# Altium PCB MANOPOLATORE_2040_ZERO.PcbDoc (part 1 of 2) (continued)
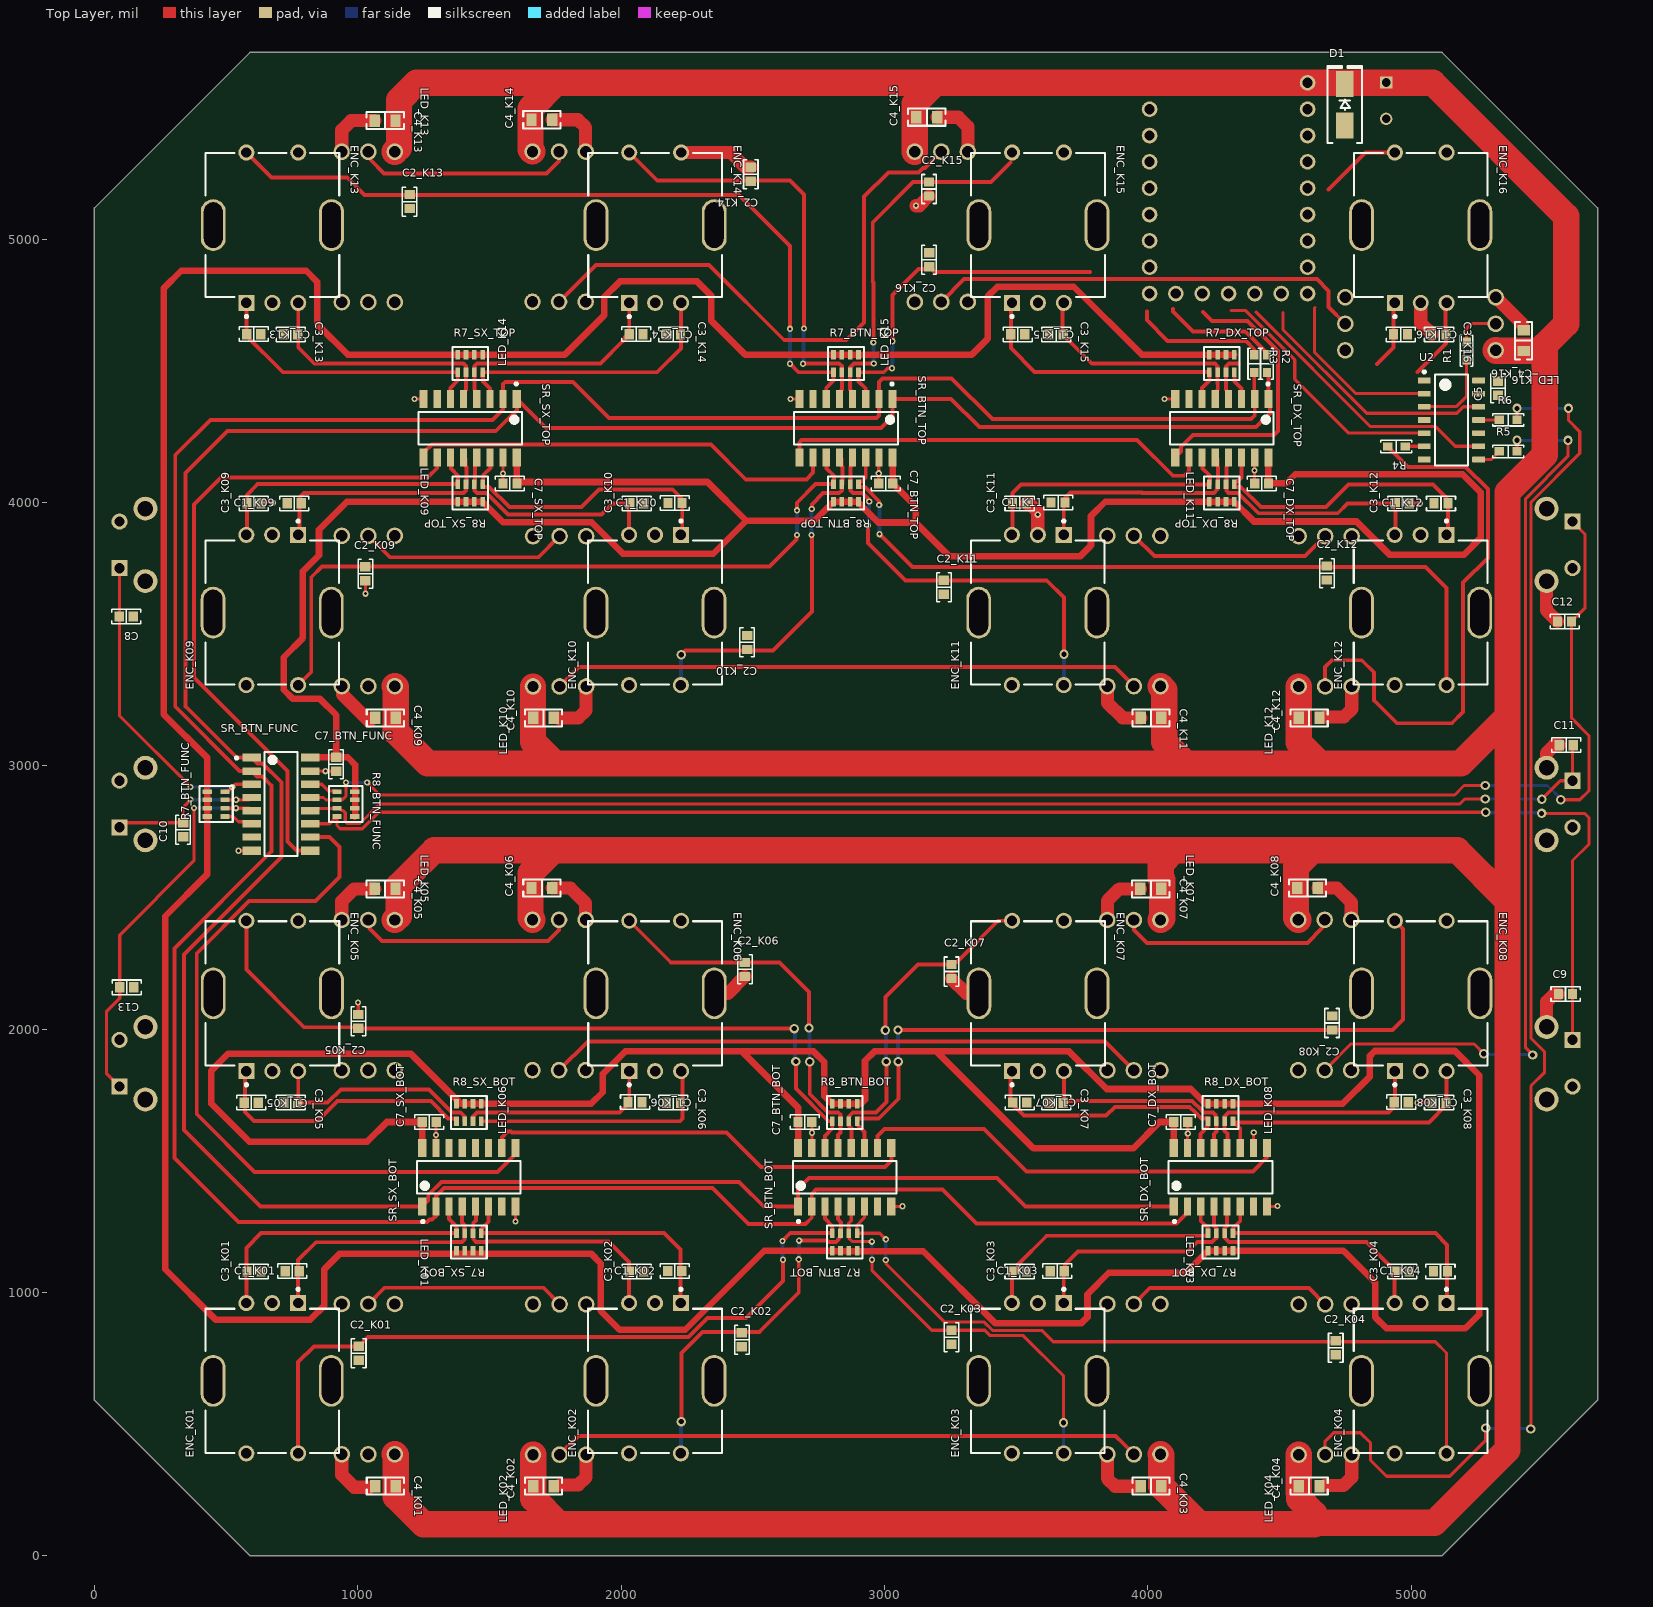
[diagram p0: Top Layer view]
## Classes and differential pairs
component class SX_BOT: C7_SX_BOT R7_SX_BOT R8_SX_BOT SR_SX_BOT
component class K08: C1_K08 C2_K08 C3_K08 C4_K08 ENC_K08 LED_K08
component class K07: C1_K07 C2_K07 C3_K07 C4_K07 ENC_K07 LED_K07
component class K06: C1_K06 C2_K06 C3_K06 C4_K06 ENC_K06 LED_K06
component class K05: C1_K05 C2_K05 C3_K05 C4_K05 ENC_K05 LED_K05
component class K04: C1_K04 C2_K04 C3_K04 C4_K04 ENC_K04 LED_K04
component class K03: C1_K03 C2_K03 C3_K03 C4_K03 ENC_K03 LED_K03
component class K02: C1_K02 C2_K02 C3_K02 C4_K02 ENC_K02 LED_K02
component class K01: C1_K01 C2_K01 C3_K01 C4_K01 ENC_K01 LED_K01
component class DX_BOT: C7_DX_BOT R7_DX_BOT R8_DX_BOT SR_DX_BOT
component class BTN_BOT: C7_BTN_BOT R7_BTN_BOT R8_BTN_BOT SR_BTN_BOT
component class SX_TOP: C7_SX_TOP R7_SX_TOP R8_SX_TOP SR_SX_TOP
component class DX_TOP: C7_DX_TOP R7_DX_TOP R8_DX_TOP SR_DX_TOP
component class BTN_TOP: C7_BTN_TOP R7_BTN_TOP R8_BTN_TOP SR_BTN_TOP
component class K12: C1_K12 C2_K12 C3_K12 C4_K12 ENC_K12 LED_K12
component class K16: C1_K16 C2_K16 C3_K16 C4_K16 ENC_K16 LED_K16
component class K11: C1_K11 C2_K11 C3_K11 C4_K11 ENC_K11 LED_K11
component class K15: C1_K15 C2_K15 C3_K15 C4_K15 ENC_K15 LED_K15
component class BTN_FUNC: C7_BTN_FUNC R7_BTN_FUNC R8_BTN_FUNC SR_BTN_FUNC
channel class SR: BTN_BOT BTN_FUNC BTN_TOP DX_BOT DX_TOP SX_BOT SX_TOP
channel class KNOB: K01 K02 K03 K04 K05 K06 K07 K08 K09 K10 K11 K12 K13 K14 K15 K16
component class K10: C1_K10 C2_K10 C3_K10 C4_K10 ENC_K10 LED_K10
component class K09: C1_K09 C2_K09 C3_K09 C4_K09 ENC_K09 LED_K09
component class K14: C1_K14 C2_K14 C3_K14 C4_K14 ENC_K14 LED_K14
component class K13: C1_K13 C2_K13 C3_K13 C4_K13 ENC_K13 LED_K13

## Components (designator, comment, footprint, x,y, rotation, side; value= is the part's Value field where it differs from the comment)
C1_K01 "0.1 µF" "CAP 0603_1608" 751.14,1080.59 r0 top (schematic designator C1)
C1_K02 "0.1 µF" "CAP 0603_1608" 2203.62,1080.94 r0 top (schematic designator C1)
C1_K03 "0.1 µF" "CAP 0603_1608" 3655.98,1080.28 r0 top (schematic designator C1)
C1_K04 "0.1 µF" "CAP 0603_1608" 5111.89,1079.57 r0 top (schematic designator C1)
C1_K05 "0.1 µF" "CAP 0603_1608" 596.14,1720.63 r180 top (schematic designator C1)
C1_K06 "0.1 µF" "CAP 0603_1608" 2053.11,1722.2 r180 top (schematic designator C1)
C1_K07 "0.1 µF" "CAP 0603_1608" 3513.74,1720.71 r180 top (schematic designator C1)
C1_K08 "0.1 µF" "CAP 0603_1608" 4962.32,1722.2 r180 top (schematic designator C1)
C1_K09 "0.1 µF" "CAP 0603_1608" 759.45,3995.98 r0 top (schematic designator C1)
C1_K10 "0.1 µF" "CAP 0603_1608" 2204.72,3997.36 r0 top (schematic designator C1)
C1_K11 "0.1 µF" "CAP 0603_1608" 3659.65,3999.45 r0 top (schematic designator C1)
C1_K12 "0.1 µF" "CAP 0603_1608" 5113.9,3995.98 r0 top (schematic designator C1)
C1_K13 "0.1 µF" "CAP 0603_1608" 605.79,4639.02 r180 top (schematic designator C1)
C1_K14 "0.1 µF" "CAP 0603_1608" 2057.17,4639.02 r180 top (schematic designator C1)
C1_K15 "0.1 µF" "CAP 0603_1608" 3506.42,4637.95 r180 top (schematic designator C1)
C1_K16 "0.1 µF" "CAP 0603_1608" 4960.31,4638.15 r180 top (schematic designator C1)
C2_K01 "0.1 µF" "CAP 0603_1608" 1003.9,768.15 r90 top (schematic designator C2)
C2_K02 "0.1 µF" "CAP 0603_1608" 2458.82,819.76 r90 top (schematic designator C2)
C2_K03 "0.1 µF" "CAP 0603_1608" 3254.72,829.72 r90 top (schematic designator C2)
C2_K04 "0.1 µF" "CAP 0603_1608" 4714.09,789.25 r90 top (schematic designator C2)
C2_K05 "0.1 µF" "CAP 0603_1608" 1002.24,2028.86 r270 top (schematic designator C2)
C2_K06 "0.1 µF" "CAP 0603_1608" 2470.47,2226.18 r90 top (schematic designator C2)
C2_K07 "0.1 µF" "CAP 0603_1608" 3254.84,2218.31 r90 top (schematic designator C2)
C2_K08 "0.1 µF" "CAP 0603_1608" 4700.43,2022.87 r270 top (schematic designator C2)
C2_K09 "0.1 µF" "CAP 0603_1608" 1029.06,3729.13 r90 top (schematic designator C2)
C2_K10 "0.1 µF" "CAP 0603_1608" 2478.86,3468.07 r270 top (schematic designator C2)
C2_K11 "0.1 µF" "CAP 0603_1608" 3226.1,3677.13 r90 top (schematic designator C2)
C2_K12 "0.1 µF" "CAP 0603_1608" 4680.51,3731.54 r90 top (schematic designator C2)
C2_K13 "0.1 µF" "CAP 0603_1608" 1197.28,5142.32 r90 top (schematic designator C2)
C2_K14 "0.1 µF" "CAP 0603_1608" 2492.64,5246.46 r270 top (schematic designator C2)
C2_K15 "0.1 µF" "CAP 0603_1608" 3169.57,5190 r90 top (schematic designator C2)
C2_K16 "0.1 µF" "CAP 0603_1608" 3169.88,4921.46 r270 top (schematic designator C2)
C3_K01 "0.1 µF" "CAP 0603_1608" 605.94,1079.02 r180 top (schematic designator C3)
C3_K02 "0.1 µF" "CAP 0603_1608" 2059.64,1079.02 r180 top (schematic designator C3)
C3_K03 "0.1 µF" "CAP 0603_1608" 3513.34,1079.02 r180 top (schematic designator C3)
C3_K04 "0.1 µF" "CAP 0603_1608" 4967.05,1079.02 r180 top (schematic designator C3)
C3_K05 "0.1 µF" "CAP 0603_1608" 745.28,1720.55 r0 top (schematic designator C3)
C3_K06 "0.1 µF" "CAP 0603_1608" 2198.98,1720.55 r0 top (schematic designator C3)
C3_K07 "0.1 µF" "CAP 0603_1608" 3652.68,1720.55 r0 top (schematic designator C3)
C3_K08 "0.1 µF" "CAP 0603_1608" 5106.38,1720.55 r0 top (schematic designator C3)
C3_K09 "0.1 µF" "CAP 0603_1608" 605.94,3996.42 r180 top (schematic designator C3)
C3_K10 "0.1 µF" "CAP 0603_1608" 2059.64,3996.42 r180 top (schematic designator C3)
C3_K11 "0.1 µF" "CAP 0603_1608" 3513.34,3996.42 r180 top (schematic designator C3)
C3_K12 "0.1 µF" "CAP 0603_1608" 4967.05,3996.42 r180 top (schematic designator C3)
C3_K13 "0.1 µF" "CAP 0603_1608" 745.28,4637.95 r0 top (schematic designator C3)
C3_K14 "0.1 µF" "CAP 0603_1608" 2198.98,4637.95 r0 top (schematic designator C3)
C3_K15 "0.1 µF" "CAP 0603_1608" 3652.68,4637.95 r0 top (schematic designator C3)
C3_K16 "0.1 µF" "CAP 0603_1608" 5106.38,4637.95 r0 top (schematic designator C3)
C4_K01 "10 µF" "MURATA GRM188 0603_1608" 1105.35,264.02 r0 top (schematic designator C4)
C4_K02 "10 µF" "MURATA GRM188 0603_1608" 1705.47,264.25 r180 top (schematic designator C4)
C4_K03 "10 µF" "MURATA GRM188 0603_1608" 4012.75,264.02 r0 top (schematic designator C4)
C4_K04 "10 µF" "MURATA GRM188 0603_1608" 4612.87,264.25 r180 top (schematic designator C4)
C4_K05 "10 µF" "MURATA GRM188 0603_1608" 1104.37,2532.17 r0 top (schematic designator C4)
C4_K06 "10 µF" "MURATA GRM188 0603_1608" 1699.57,2535.55 r180 top (schematic designator C4)
C4_K07 "10 µF" "MURATA GRM188 0603_1608" 4011.77,2532.17 r0 top (schematic designator C4)
C4_K08 "10 µF" "MURATA GRM188 0603_1608" 4606.97,2535.55 r180 top (schematic designator C4)
C4_K09 "10 µF" "MURATA GRM188 0603_1608" 1105.35,3181.42 r0 top (schematic designator C4)
C4_K10 "10 µF" "MURATA GRM188 0603_1608" 1705.47,3181.65 r180 top (schematic designator C4)
C4_K11 "10 µF" "MURATA GRM188 0603_1608" 4012.75,3181.42 r0 top (schematic designator C4)
C4_K12 "10 µF" "MURATA GRM188 0603_1608" 4612.87,3181.65 r180 top (schematic designator C4)
C4_K13 "10 µF" "MURATA GRM188 0603_1608" 1104.37,5449.57 r0 top (schematic designator C4)
C4_K14 "10 µF" "MURATA GRM188 0603_1608" 1699.57,5452.95 r180 top (schematic designator C4)
C4_K15 "10 µF" "MURATA GRM188 0603_1608" 3161.14,5462.6 r180 top (schematic designator C4)
C4_K16 "10 µF" "MURATA GRM188 0603_1608" 5427.32,4613.94 r270 top (schematic designator C4)
C5 "0.1 µF" "CAP 0603_1608" 5330.12,4433.07 r90 top
C6 "EEUFM1A471" CAPPRD350W60D800H1150 4905.79,5525.43 r270 bottom
C7_BTN_BOT "0.1 µF" "CAP 0603_1608" 2698.31,1646.81 r180 top (schematic designator C7)
C7_BTN_FUNC "0.1 µF" "CAP 0603_1608" 918.31,3005.35 r90 top (schematic designator C7)
C7_BTN_TOP "0.1 µF" "CAP 0603_1608" 3005.35,4071.85 r0 top (schematic designator C7)
C7_DX_BOT "0.1 µF" "CAP 0603_1608" 4125.47,1646.81 r180 top (schematic designator C7)
C7_DX_TOP "0.1 µF" "CAP 0603_1608" 4432.52,4071.85 r0 top (schematic designator C7)
C7_SX_BOT "0.1 µF" "CAP 0603_1608" 1271.14,1646.81 r180 top (schematic designator C7)
C7_SX_TOP "0.1 µF" "CAP 0603_1608" 1578.19,4071.85 r0 top (schematic designator C7)
C8 "0.1 µF" "CAP 0603_1608" 120.75,3566.5 r180 top
C9 "0.1 µF" "CAP 0603_1608" 5586.73,2132.95 r0 top
C10 "0.1 µF" "CAP 0603_1608" 336.89,2756.89 r90 top
C11 "0.1 µF" "CAP 0603_1608" 5589.8,3078.03 r0 top
C12 "0.1 µF" "CAP 0603_1608" 5583.11,3547.36 r0 top
C13 "0.1 µF" "CAP 0603_1608" 122.76,2158.5 r180 top
D1 "SMAJ5.0A" "DO214AC SMA" 4748.62,5509.72 r90 top
ENC_K01 "PEC11R-4015K-S0024" FP-PEC11R-4015K-S0024-MFG 675.35,664.02 r180 top (schematic designator ENC)
ENC_K02 "PEC11R-4015K-S0024" FP-PEC11R-4015K-S0024-MFG 2129.05,664.02 r180 top (schematic designator ENC)
ENC_K03 "PEC11R-4015K-S0024" FP-PEC11R-4015K-S0024-MFG 3582.75,664.02 r180 top (schematic designator ENC)
ENC_K04 "PEC11R-4015K-S0024" FP-PEC11R-4015K-S0024-MFG 5036.45,664.02 r180 top (schematic designator ENC)
ENC_K05 "PEC11R-4015K-S0024" FP-PEC11R-4015K-S0024-MFG 675.87,2135.55 r0 top (schematic designator ENC)
ENC_K06 "PEC11R-4015K-S0024" FP-PEC11R-4015K-S0024-MFG 2129.57,2135.55 r0 top (schematic designator ENC)
ENC_K07 "PEC11R-4015K-S0024" FP-PEC11R-4015K-S0024-MFG 3583.27,2135.55 r0 top (schematic designator ENC)
ENC_K08 "PEC11R-4015K-S0024" FP-PEC11R-4015K-S0024-MFG 5036.97,2135.55 r0 top (schematic designator ENC)
ENC_K09 "PEC11R-4015K-S0024" FP-PEC11R-4015K-S0024-MFG 675.35,3581.42 r180 top (schematic designator ENC)
ENC_K10 "PEC11R-4015K-S0024" FP-PEC11R-4015K-S0024-MFG 2129.05,3581.42 r180 top (schematic designator ENC)
ENC_K11 "PEC11R-4015K-S0024" FP-PEC11R-4015K-S0024-MFG 3582.75,3581.42 r180 top (schematic designator ENC)
ENC_K12 "PEC11R-4015K-S0024" FP-PEC11R-4015K-S0024-MFG 5036.45,3581.42 r180 top (schematic designator ENC)
ENC_K13 "PEC11R-4015K-S0024" FP-PEC11R-4015K-S0024-MFG 675.87,5052.95 r0 top (schematic designator ENC)
ENC_K14 "PEC11R-4015K-S0024" FP-PEC11R-4015K-S0024-MFG 2129.57,5052.95 r0 top (schematic designator ENC)
ENC_K15 "PEC11R-4015K-S0024" FP-PEC11R-4015K-S0024-MFG 3583.27,5052.95 r0 top (schematic designator ENC)
ENC_K16 "PEC11R-4015K-S0024" FP-PEC11R-4015K-S0024-MFG 5036.97,5052.95 r0 top (schematic designator ENC)
LED_K01 "LED_RING" LED_RING 1040.35,670.25 r270 top (schematic designator LED)
LED_K02 "LED_RING" LED_RING 1766.54,668.86 r90 top (schematic designator LED)
LED_K03 "LED_RING" LED_RING 3947.75,670.25 r270 top (schematic designator LED)
LED_K04 "LED_RING" LED_RING 4673.94,668.86 r90 top (schematic designator LED)
LED_K05 "LED_RING" LED_RING 1040.31,2128.54 r270 top (schematic designator LED)
LED_K06 "LED_RING" LED_RING 1764.57,2129.32 r90 top (schematic designator LED)
LED_K07 "LED_RING" LED_RING 3947.72,2128.54 r270 top (schematic designator LED)
LED_K08 "LED_RING" LED_RING 4671.97,2129.32 r90 top (schematic designator LED)
LED_K09 "LED_RING" LED_RING 1040.35,3587.65 r270 top (schematic designator LED)
LED_K10 "LED_RING" LED_RING 1766.54,3586.26 r90 top (schematic designator LED)
LED_K11 "LED_RING" LED_RING 3947.75,3587.65 r270 top (schematic designator LED)
LED_K12 "LED_RING" LED_RING 4673.94,3586.26 r90 top (schematic designator LED)
LED_K13 "LED_RING" LED_RING 1040.31,5045.94 r270 top (schematic designator LED)
LED_K14 "LED_RING" LED_RING 1764.57,5046.72 r90 top (schematic designator LED)
LED_K15 "LED_RING" LED_RING 3216.34,5046.42 r90 top (schematic designator LED)
LED_K16 "LED_RING" LED_RING 5035.79,4678.15 r180 top (schematic designator LED)
R1 "330 Ohms" "YAGEO RES 0603_1608" 5211.1,4575.43 r90 top
R2 "33 Ohms" "YAGEO RES 0603_1608" 4453.27,4526.61 r270 top
R3 "33 Ohms" "YAGEO RES 0603_1608" 4404.65,4526.54 r270 top
R4 "330 Ohms" "YAGEO RES 0603_1608" 4944.57,4212.09 r180 top
R5 "330 Ohms" "YAGEO RES 0603_1608" 5368.98,4193.78 r0 top
R6 "330 Ohms" "YAGEO RES 0603_1608" 5369.09,4313.5 r0 top
R7_BTN_BOT "YC164-JR-0710KL" "RESNET 1206-8 CONVEX" 2849.33,1191.1 r270 top (schematic designator R7)
R7_BTN_FUNC "YC164-JR-0710KL" "RESNET 1206-8 CONVEX" 462.6,2854.33 r180 top (schematic designator R7)
R7_BTN_TOP "YC164-JR-0710KL" "RESNET 1206-8 CONVEX" 2854.33,4527.56 r90 top (schematic designator R7)
R7_DX_BOT "YC164-JR-0710KL" "RESNET 1206-8 CONVEX" 4276.5,1191.1 r270 top (schematic designator R7)
R7_DX_TOP "YC164-JR-0710KL" "RESNET 1206-8 CONVEX" 4281.5,4527.56 r90 top (schematic designator R7)
R7_SX_BOT "YC164-JR-0710KL" "RESNET 1206-8 CONVEX" 1422.17,1191.1 r270 top (schematic designator R7)
R7_SX_TOP "YC164-JR-0710KL" "RESNET 1206-8 CONVEX" 1427.17,4527.56 r90 top (schematic designator R7)
R8_BTN_BOT "YC164-JR-0710KL" "RESNET 1206-8 CONVEX" 2849.33,1683.23 r90 top (schematic designator R8)
R8_BTN_FUNC "YC164-JR-0710KL" "RESNET 1206-8 CONVEX" 954.72,2854.33 r0 top (schematic designator R8)
R8_BTN_TOP "YC164-JR-0710KL" "RESNET 1206-8 CONVEX" 2854.33,4035.43 r270 top (schematic designator R8)
R8_DX_BOT "YC164-JR-0710KL" "RESNET 1206-8 CONVEX" 4276.5,1683.23 r90 top (schematic designator R8)
R8_DX_TOP "YC164-JR-0710KL" "RESNET 1206-8 CONVEX" 4281.5,4035.43 r270 top (schematic designator R8)
R8_SX_BOT "YC164-JR-0710KL" "RESNET 1206-8 CONVEX" 1422.17,1683.23 r90 top (schematic designator R8)
R8_SX_TOP "YC164-JR-0710KL" "RESNET 1206-8 CONVEX" 1427.17,4035.43 r270 top (schematic designator R8)
SR_BTN_BOT "74HC165D,653" FP-SOT109-1-MFG 2849.33,1437.17 r90 top (schematic designator SR)
SR_BTN_FUNC "74HC165D,653" FP-SOT109-1-MFG 708.66,2854.33 r0 top (schematic designator SR)
SR_BTN_TOP "74HC165D,653" FP-SOT109-1-MFG 2854.33,4281.5 r270 top (schematic designator SR)
SR_DX_BOT "74HC165D,653" FP-SOT109-1-MFG 4276.5,1437.17 r90 top (schematic designator SR)
SR_DX_TOP "74HC165D,653" FP-SOT109-1-MFG 4281.5,4281.5 r270 top (schematic designator SR)
SR_SX_BOT "74HC165D,653" FP-SOT109-1-MFG 1422.17,1437.17 r90 top (schematic designator SR)
SR_SX_TOP "74HC165D,653" FP-SOT109-1-MFG 1427.17,4281.5 r270 top (schematic designator SR)
SW1 "B3F-3122" FP-B3F-3122-MFG 98.43,3838.58 r90 bottom
SW2 "B3F-3122" FP-B3F-3122-MFG 5610.24,1870.08 r270 bottom
SW3 "B3F-3122" FP-B3F-3122-MFG 98.43,2854.33 r90 bottom
SW4 "B3F-3122" FP-B3F-3122-MFG 5610.24,2854.33 r270 bottom
SW5 "B3F-3122" FP-B3F-3122-MFG 5610.24,3838.58 r270 bottom
SW6 "B3F-3122" FP-B3F-3122-MFG 98.43,1870.08 r90 bottom
U1 "RP2040-ZERO" MODULE_RP2040-ZERO 4307.05,5193.07 r180 bottom
U2 "SN74AHCT125QDREP" D0014A_L 5153.62,4312.91 r0 top

## Footprints (in the part's own frame and the unit in brackets; to place one, negate y for a bottom-side part, rotate by r counter-clockwise, add the part's x,y. Pads: shape width x height; smd on the part's side, far side on the other; paste and mask are expansions set on the pad)
"CAP 0603_1608" [mm] "Chip Capacitor, 2-Leads, Body 1.60x0.80mm, IPC Medium Density"
  rect 0.9x1 smd: 1(-0.675,0) 2(0.675,0)
  silkscreen extent -1.4,-0.7 1.4,0.7, body extent -0.8,-0.41 0.8,0.41, height 0.82
CAPPRD350W60D800H1150 [mm]
  round 1.2 hole 0.85: N(1.75,0)
  rect 1.2x1.2 hole 0.85: P(-1.75,0)
  silkscreen extent -4.85,-4 4,4, body extent -4,-3.99 4,3.99, height 11.5
D0014A_L [mm] "SOIC, 14-Leads, Body 8.75x4mm, Pitch 1.27mm, IPC High Density"
  rrect18% 1.25x0.55 smd: 1(-2.625,3.81) 2(-2.625,2.54) 3(-2.625,1.27) 4(-2.625,0) 5(-2.625,-1.27) 6(-2.625,-2.54) 7(-2.625,-3.81) 8(2.625,-3.81) 9(2.625,-2.54) 10(2.625,-1.27) 11(2.625,0) 12(2.625,1.27) 13(2.625,2.54) 14(2.625,3.81)
  silkscreen extent -2.75,-4.38 1.6,4.76, body extent -3.02,-4.32 3.02,4.32, height 1.59
"DO214AC SMA" [mm] "Molded Diode, 2-Leads, Body 4.30x2.60mm, IPC Medium Density"
  rect 2.5x1.7 smd: 1(-2,0) 2(2,0)
  silkscreen extent -3.68,-1.65 3.75,1.65, body extent -2.6,-1.37 2.6,1.37, height 2.4
FP-B3F-3122-MFG [mm]
  rect 1.55x1.55 hole 1 paste-2539.97 mask+0: 1(-2.25,-0.075)
  round 1.55 hole 1 paste-2539.97 mask+0: 2(2.25,-0.075)
  round 2.3 hole 1.5 paste-2539.97 mask+0: 3(-3.5,2.425) 4(3.5,2.425)
  silkscreen extent -4.87,-4.43 3.85,4.43, body extent -4.34,-3.93 4.34,3.93, height 7.8
FP-PEC11R-4015K-S0024-MFG [mm]
  round 1.55 hole 1 paste-2539.97 mask+0: 1(-2.5,7) 2(2.5,7) B(2.5,-7.5) C(0,-7.5)
  rrect100% 2.4x5 hole 4.4 slot 1.8 at 0 deg paste-2539.97 mask+0: 3(-5.7,0) 4(5.7,0)
  rect 1.55x1.55 hole 1 paste-2539.97 mask+0: A(-2.5,-7.5)
  silkscreen extent -6.45,-8.95 6.45,6.95, body extent -7,-8.37 7,7.88, height 0.25
FP-SOT109-1-MFG [mm]
  rect 1.75x0.8 smd paste-1000 mask+0: 1(-2.825,4.495) 8(-2.825,-4.495) 9(2.825,-4.495) 16(2.825,4.495)
  rect 1.75x0.7 smd paste-1000 mask+0: 2(-2.825,3.175) 3(-2.825,1.905) 4(-2.825,0.635) 5(-2.825,-0.635) 6(-2.825,-1.905) 7(-2.825,-3.175) 10(2.825,-3.175) 11(2.825,-1.905) 12(2.825,-0.635) 13(2.825,0.635) 14(2.825,1.905) 15(2.825,3.175)
  silkscreen extent -4.4,-5 1.58,5, body extent -3.83,-5.95 3.83,5.95, height 0.25
LED_RING [mm]
  round 1.6 hole 1.1 unplated paste-2539.97: 1(-7.25,2.56) 2(-7.25,0) 3(-7.25,-2.56) 4(7.25,2.56) 5(7.25,0) 6(7.25,-2.56)
  body extent -13.49,-22.8 13.49,4.19, height 9.81
MODULE_RP2040-ZERO [mm]
  round 1.508 hole 1: 2(7.62,7.62) 3(7.62,5.08) 4(7.62,2.54) 5(7.62,0) 6(7.62,-2.54) 7(7.62,-5.08) 8(7.62,-7.62) 9(7.62,-10.16) 10(5.08,-10.16) 11(2.54,-10.16) 12(0,-10.16) 13(-2.54,-10.16) 14(-5.08,-10.16) 15(-7.62,-10.16) 16(-7.62,-7.62) 17(-7.62,-5.08) 18(-7.62,-2.54) 19(-7.62,0) 20(-7.62,2.54) 21(-7.62,5.08) 22(-7.62,7.62) 23(-7.62,10.16)
  silkscreen extent -9,-11.75 9.85,11.75, body extent -9,-11.75 9,12.95, height 6.91
"MURATA GRM188 0603_1608" [mm] "Chip Capacitor, 2-Leads, Body 1.60x0.80mm"
  rect 1x1.2 smd: 1(-1,0) 2(1,0)
  silkscreen extent -1.8,-0.83 1.8,0.83, body extent -0.9,-0.5 0.9,0.5, height 1
"RESNET 1206-8 CONVEX" [mm] "4 resistor 3.20x1.60mm, 0.7mm high"
  rect 0.9x0.45 smd: 1(-0.85,1.2) 2(-0.85,0.4) 3(-0.85,-0.4) 4(-0.85,-1.2) 5(0.85,-1.2) 6(0.85,-0.4) 7(0.85,0.4) 8(0.85,1.2)
  silkscreen extent -1.6,-1.73 1.6,1.73, body extent -0.84,-1.62 0.84,1.63, height 0.71
"YAGEO RES 0603_1608" [mm] "Chip Resistor, 2-Leads, Body 1.60x0.80mm"
  rect 0.9x0.8 smd: 1(-0.85,0) 2(0.85,0)
  silkscreen extent -1.5,-0.6 1.5,0.6, body extent -0.8,-0.4 0.8,0.4, height 0.45

## Part data
C1_K01 C1_K02 C1_K03 C1_K04 C1_K05 C1_K06 C1_K07 C1_K08 C1_K09 C1_K10 C1_K11 C1_K12 C1_K13 C1_K14 C1_K15 C1_K16 C2_K01 C2_K02 C2_K03 C2_K04 C2_K05 C2_K06 C2_K07 C2_K08 C2_K09 C2_K10 C2_K11 C2_K12 C2_K13 C2_K14 C2_K15 C2_K16 C3_K01 C3_K02 C3_K03 C3_K04 C3_K05 C3_K06 C3_K07 C3_K08 C3_K09 C3_K10 C3_K11 C3_K12 C3_K13 C3_K14 C3_K15 C3_K16 C5 C7_BTN_BOT C7_BTN_FUNC C7_BTN_TOP C7_DX_BOT C7_DX_TOP C7_SX_BOT C7_SX_TOP C8 C9 C10 C11 C12 C13: library part CC0603KPX7R7BB104, "CAP CER 0.1UF 16V X7R 0603", Device Package="0603 (1608 Metric)", manufacturer=Yageo, Operating Temperature="-55°C ~ 125°C", Supplier Part Number 1=311-1335-1-ND, Temperature Coefficient=X7R, Tolerance=±10%, Voltage - Rated=16V, Applications="General Purpose", Capacitance="0.1 µF", componentlink1description=Datasheet, componentlink1url=https://www.yageo.com/upload/media/product/productsearch/datasheet/mlcc/UPY-GPHC_X7R_6.3V-to-50V_18.pdf, componentlink2description="DigiKey Link", componentlink2url=https://www.digikey.com/en/products/detail/yageo/CC0603KPX7R7BB104/2103073, lastupdated="2/9/2024 8:10:09 PM", Lifecycle Status=Active, Minimum Order=1, Mounting Type="Surface Mount, MLCC", Package / Case="0603 (1608 Metric)", Packaging=TapeAndReel, Part Number=CC0603KPX7R7BB104, Part Status=Active, partid=16718, price=0.01, Series=CC, Size / Dimension="0.063\" L x 0.031\" W (1.60mm x 0.80mm)", Supplier 1=DigiKey, Thickness (Max)="0.035\" (0.90mm)"
C4_K01 C4_K02 C4_K03 C4_K04 C4_K05 C4_K06 C4_K07 C4_K08 C4_K09 C4_K10 C4_K11 C4_K12 C4_K13 C4_K14 C4_K15 C4_K16: library part GRM188Z71A106KA73D, "CAP CER 10UF 10V X7R 0603", Device Package="0603 (1608 Metric)", manufacturer="Murata Electronics", Operating Temperature="-55°C ~ 125°C", Supplier Part Number 1=490-GRM188Z71A106KA73DCT-ND, Temperature Coefficient=X7R, Tolerance=±10%, Voltage - Rated=10V, Applications="General Purpose", Capacitance="10 µF", componentlink1description=Datasheet, componentlink1url=https://search.murata.co.jp/Ceramy/image/img/A01X/G101/ENG/GRM188Z71A106KA73-01A.pdf, componentlink2description="DigiKey Link", componentlink2url=https://www.digikey.com/en/products/detail/murata-electronics/GRM188Z71A106KA73D/13401725, lastupdated="7/20/2024 12:23:19 AM", Lifecycle Status=Active, Minimum Order=1, Mounting Type="Surface Mount, MLCC", Package / Case="0603 (1608 Metric)", Packaging=TapeAndReel, Part Number=GRM188Z71A106KA73D, Part Status=Active, partid=44714, price=0.06, Series=GRM, Size / Dimension="0.063\" L x 0.031\" W (1.60mm x 0.80mm)", Supplier 1=DigiKey, Thickness (Max)="0.039\" (1.00mm)"
C6: "Cap Aluminum Lytic 470uF 10V 20% (8 X 11.5mm) Radial 3.5mm 950mA 3000h 105C Bulk", Package="RADIAL-2 Panasonic", Availability="In Stock", Check_prices=https://www.snapeda.com/parts/EEU-FM1A471/Panasonic/view-part/2301689/?ref=eda, MF=Panasonic, MP=EEU-FM1A471, price=None, Purchase-URL=https://pricing.snapeda.com/search/part/EEU-FM1A471/?ref=eda, SnapEDA_Link=https://www.snapeda.com/parts/EEU-FM1A471/Panasonic/view-part/2301689/?ref=snap
D1: "TVS DIODE 5VWM 9.2VC DO214AC", Current - Peak Pulse (10/1000µs)=43.5A, manufacturer="Littelfuse Inc.", Operating Temperature="-65°C ~ 150°C (TJ)", Package / Case="DO-214AC, SMA", Power - Peak Pulse=400W, Power Line Protection=No, Supplier Device Package="DO-214AC (SMA)", Supplier Part Number 1=SMAJ5.0ALFCT-ND, Voltage - Breakdown (Min)=6.4V, Voltage - Clamping (Max) @ Ipp=9.2V, Voltage - Reverse Standoff (Typ)=5V, Applications="General Purpose", componentlink1description=Datasheet, componentlink1url=https://www.littelfuse.com/~/media/electronics/datasheets/tvs_diodes/littelfuse_tvs_diode_smaj_datasheet.pdf.pdf, componentlink2description="DigiKey Link", componentlink2url=https://www.digikey.com/en/products/detail/littelfuse-inc/SMAJ5-0A/762250, lastupdated="6/3/2024 7:57:22 PM", Lifecycle Status=Active, Minimum Order=1, Mounting Type="Surface Mount", Packaging=TapeAndReel, Part Number=SMAJ5.0A, Part Status=Active, partid=5719, price=0.09, Series=SMAJ, Supplier 1=DigiKey, Type=Zener, Unidirectional Channels=1
ENC_K01 ENC_K02 ENC_K03 ENC_K04 ENC_K05 ENC_K06 ENC_K07 ENC_K08 ENC_K09 ENC_K10 ENC_K11 ENC_K12 ENC_K13 ENC_K14 ENC_K15 ENC_K16: library part CMP-07421-000013-1, "ROTARY ENCODER MECHANICAL 24PPR", Max Operating Temperature=70°C, Min Operating Temperature=-30°C, Package Quantity=75, Built in Switch=Yes, Detent=No, Encoder Type=Mechanical, Height=13.4mm, Length=21.5mm, Mount="Through Hole", Number of Channels=2, Orientation=Vertical, Output Type=Quadrature, Packaging=Bulk, Pulses per Revolution=24, RoHS Compliant=Yes, Series=PEC11R, Termination="PC Pin", Width=12.5mm
R1 R4 R5 R6: library part RC0603JR-07330RP, "RES 330 OHM 5% 1/10W 0603", Device Package="0603 (1608 Metric)", manufacturer=Yageo, Operating Temperature="-55°C ~ 155°C", Power (Watts)="0.1W, 1/10W", Ratings="7C1 RoHS w/out Exemption (100% Pb-Free)", Supplier Device Package=0603, Supplier Part Number 1=YAG1314CT-ND, Temperature Coefficient=±100ppm/°C, Tolerance=±5%, componentlink1description=Datasheet, componentlink1url=http://www.yageo.com/NewPortal/yageodocoutput?fileName=/pdf/R-Chip/PYu-RC_51_RoHS_P_0.pdf, componentlink2description="DigiKey Link", componentlink2url=https://www.digikey.com/en/products/detail/yageo/RC0603JR-07330RP/4935329, Composition="Thick Film", Features="Moisture Resistant", Height - Seated (Max)="0.022\" (0.55mm)", lastupdated="7/25/2024 9:19:30 AM", Lifecycle Status=Active, Minimum Order=1, Number of Terminations=2, Package / Case="0603 (1608 Metric)", Packaging=TapeAndReel, Part Number=RC0603JR-07330RP, Part Status=Active, partid=9775, price=0.01, Resistance="330 Ohms", Series=RC_P, Size / Dimension="0.063\" L x 0.031\" W (1.60mm x 0.80mm)", Supplier 1=DigiKey
R2 R3: library part RC0603JR-0733RL, "RES 33 OHM 5% 1/10W 0603", Device Package="0603 (1608 Metric)", manufacturer=Yageo, Operating Temperature="-55°C ~ 155°C", Power (Watts)="0.1W, 1/10W", Supplier Device Package=0603, Supplier Part Number 1=311-33GRCT-ND, Temperature Coefficient=±100ppm/°C, Tolerance=±5%, componentlink1description=Datasheet, componentlink1url=https://www.yageo.com/upload/media/product/productsearch/datasheet/rchip/PYu-RC_Group_51_RoHS_L_10.pdf, componentlink2description="DigiKey Link", componentlink2url=https://www.digikey.com/en/products/detail/yageo/RC0603JR-0733RL/726771, Composition="Thick Film", Features="Moisture Resistant", Height - Seated (Max)="0.022\" (0.55mm)", lastupdated="7/25/2024 9:19:24 AM", Lifecycle Status=Active, Minimum Order=1, Number of Terminations=2, Package / Case="0603 (1608 Metric)", Packaging=CutTape, Part Number=RC0603JR-0733RL, Part Status=Active, partid=17082, price=0.01, Resistance="33 Ohms", Series=RC_L, Size / Dimension="0.063\" L x 0.031\" W (1.60mm x 0.80mm)", Supplier 1=DigiKey
R7_BTN_BOT R7_BTN_FUNC R7_BTN_TOP R7_DX_BOT R7_DX_TOP R7_SX_BOT R7_SX_TOP R8_BTN_BOT R8_BTN_FUNC R8_BTN_TOP R8_DX_BOT R8_DX_TOP R8_SX_BOT R8_SX_TOP: "RES ARRAY 4 RES 10K OHM 1206", manufacturer=Yageo, Number of Resistors=4, Operating Temperature="-55°C ~ 155°C", Package / Case="1206 (3216 Metric), Convex, Long Side Terminals", Power Per Element=62.5mW, Resistance (Ohms)=10k, Supplier Part Number 1=YC164J-10KCT-ND, Temperature Coefficient=±200ppm/°C, Tolerance=±5%, Applications="DDRAM, SDRAM", Circuit Type=Isolated, componentlink1description=Datasheet, componentlink1url=https://www.yageo.com/upload/media/product/productsearch/datasheet/rchip/PYu-YC_TC_group_51_RoHS_L_9.pdf, componentlink2description="DigiKey Link", componentlink2url=http://digikey.com/product-detail/en/yageo/YC164-JR-0710KL/YC164J-10KCT-ND/1005702, Height - Seated (Max)="0.028\" (0.70mm)", lastupdated="9/2/2020 1:23:24 AM", Lifecycle Status=Active, Minimum Order=1, Mounting Type="Surface Mount", Number of Pins=8, Packaging=TapeAndReel, Part Number=YC164-JR-0710KL, Part Status=Active, partid=146, price=0.01, Series=YC164, Size / Dimension="0.126\" L x 0.063\" W (3.20mm x 1.60mm)", Supplier 1=DigiKey
SR_BTN_BOT SR_BTN_FUNC SR_BTN_TOP SR_DX_BOT SR_DX_TOP SR_SX_BOT SR_SX_TOP: library part CMP-14351-000001-1, "IC SHIFT REGST 8BIT PI-SO 16SOIC", Ambient Temperature Range High=+125°C, Ambient Temperature Range Low=-40°C, Frequency=61MHz, manufacturer=Nexperia, Max Supply Voltage=6V, Min Supply Voltage=2V, Nominal Supply Current=8uA, Package=SOT109-1, Temperature="-40°C to +125°C", Automotive=No, Category=IC, componentlink2description=Datasheet, componentlink2url=https://assets.nexperia.com/documents/data-sheet/74HC_HCT165.pdf, Device Class L1="Integrated Circuits (ICs)", Device Class L2="Logic ICs", Device Class L3="Shift Registers", Digikey Description="IC SHIFT REGST 8BIT PI-SO 16SOIC", Footprint Url=https://assets.nexperia.com/documents/outline-drawing/SOT109-1.pdf, Height=1.75mm, Ipc Land Pattern Name=SOP127P600X175-16, Lead Free=Yes, Logic Function Desc="Shift Register", Manufacturer Part Number=74HC165D,653, Number Of Circuits=1, Number Of Inputs=8, Number Of Outputs=1, Octopart=https://octopart.com/74hc165d%2C653-nexperia-78737091, Propagation Delay=15ns, RoHS=TRUE, Standoff Height=0.1mm, Temperature Range High=+125°C, Temperature Range Low=-40°C
SW1 SW2 SW3 SW4 SW5 SW6: library part CMP-08834-000053-1, "SWITCH TACTILE SPST-NO 0.05A 24V", Actuator Color=Grey, Contact Current Rating=50mA, Contact Resistance=100mR, Max Operating Temperature=70°C, Max Voltage Rating (DC)=24V, Min Operating Temperature=-25°C, Operating Force=1.47N, Package Quantity=1000, Ratings=IP00, Actuator Length=1.6mm, Actuator Type=Standard, Contact Material=Gold, Contact Plating=Gold, Current Rating=50mA, Depth=7.85mm, Electrical Life=300000Cycles, Height=7.4mm, Illumination Type=Non-Illuminated, Lead Free="Lead Free", Length=7.3mm, Max Current Rating=50mA, Mechanical Life=300000Cycles, Mount="Through Hole", Number of Poles=1, Orientation="Right Angle", Packaging=Bulk, Radiation Hardening=No, RoHS Compliant=Yes, Series=B3F, Switch Function=Off-Mom, Switch Travel=0.25mm, Termination="PC Pins", Throw Configuration=SPST, Voltage Rating (DC)=24V, Weight=0.25g, Width=6.25mm
U1: "Low-Cost, High-Performance Pico-Like MCU Board Based On Raspberry Pi Microcontroller RP2040", Package=Package, Check_prices=https://www.snapeda.com/parts/RP2040-ZERO/Waveshare+Electronics/view-part/?ref=eda, MF="Waveshare Electronics", MP=RP2040-ZERO, SnapEDA_Link=https://www.snapeda.com/parts/RP2040-ZERO/Waveshare+Electronics/view-part/?ref=snap
U2: library part CMP-0440-00320-3, "Enhanced Product Quadruple Bus Buffer Gates With 3-State Outputs, D0014A, LARGE T&R", F @ Nom Voltage(Max)(Mhz)=110, Generic Part Number=SN74AHCT125-EP, ICC @ Nom Voltage(Max)(mA)=0.02, manufacturer="Texas Instruments", Operating Temperature Range(C)="-40 to 125", Rating="HiRel Enhanced Product", tpd @ Nom Voltage(Max)(ns)=8.5, Voltage(Nom)(V)=5, Code_JEDEC=MS-012, DatasheetVersion=SCLS549, Input Type=TTL, Output Type=CMOS, PackageReference=D0014A, PackageVersion=http://www.ti.com/lit/ml/mpds177g/mpds177g.pdf, VCC(Max)(V)=5.5, VCC(Min)(V)=4.5

## Via types
v1: diameter 23.62, hole 11.81, Top Layer to Bottom Layer, tented both sides, 54 vias
v2: diameter 35.43, hole 19.68, Top Layer to Bottom Layer, tented both sides, 26 vias

## Nets (pads, with @x,y where several pads share a name; then routed paths per layer and width w, separated by ;. In a path a pad name is that pad's centre, name@x,y a point inside that pad or via, vN(x,y) a via of type N, cw(c..) or ccw(c..) an arc to the next point about the centre after c; other vN are vias at no path point)
3V3: C7_BTN_BOT.2 C7_BTN_FUNC.2 C7_BTN_TOP.2 C7_DX_BOT.2 C7_DX_TOP.2 C7_SX_BOT.2 C7_SX_TOP.2 R7_BTN_BOT.5 R7_BTN_BOT.6 R7_BTN_BOT.7 R7_BTN_BOT.8 R7_BTN_FUNC.5 R7_BTN_FUNC.6 R7_BTN_FUNC.7 R7_BTN_FUNC.8 R7_BTN_TOP.5 R7_BTN_TOP.6 R7_BTN_TOP.7 R7_BTN_TOP.8 R7_DX_BOT.5 R7_DX_BOT.6 R7_DX_BOT.7 R7_DX_BOT.8 R7_DX_TOP.5 R7_DX_TOP.6 R7_DX_TOP.7 R7_DX_TOP.8 R7_SX_BOT.5 R7_SX_BOT.6 R7_SX_BOT.7 R7_SX_BOT.8 R7_SX_TOP.5 R7_SX_TOP.6 R7_SX_TOP.7 R7_SX_TOP.8 R8_BTN_BOT.5 R8_BTN_BOT.6 R8_BTN_BOT.7 R8_BTN_BOT.8 R8_BTN_FUNC.5 R8_BTN_FUNC.6 R8_BTN_FUNC.7 R8_BTN_FUNC.8 R8_BTN_TOP.5 R8_BTN_TOP.6 R8_BTN_TOP.7 R8_BTN_TOP.8 R8_DX_BOT.5 R8_DX_BOT.6 R8_DX_BOT.7 R8_DX_BOT.8 R8_DX_TOP.5 R8_DX_TOP.6 R8_DX_TOP.7 R8_DX_TOP.8 R8_SX_BOT.5 R8_SX_BOT.6 R8_SX_BOT.7 R8_SX_BOT.8 R8_SX_TOP.5 R8_SX_TOP.6 R8_SX_TOP.7 R8_SX_TOP.8 SR_BTN_BOT.16 SR_BTN_FUNC.16 SR_BTN_TOP.16 SR_DX_BOT.16 SR_DX_TOP.16 SR_SX_BOT.16 SR_SX_TOP.16 U1.21 | length 33047.8
  Top Layer w25: SR_BTN_FUNC.16@819.88,3031.3 820.51,3031.93 C7_BTN_FUNC.2@918.31,3031.93 ; R8_BTN_FUNC.5@988.19,2807.09 989.96,2808.86 989.96,3003.9 961.93,3031.93 C7_BTN_FUNC.2@918.31,3031.93 ; SR_SX_BOT.16@1245.2,1548.39 1244.57,1549.02 C7_SX_BOT.2@1244.57,1646.81 1110.71,1646.81 1035.43,1571.54 588.9,1571.54 444.41,1716.02 444.41,1842.13 508.74,1906.46 1200.91,1906.46 1390.67,1716.69 R8_SX_BOT.7@1406.42,1716.69 R8_SX_BOT.6@1437.91,1716.69 R8_SX_BOT.5@1469.41,1716.69 1887.09,1716.69 1930.33,1759.93 1930.33,1829.47 2015.76,1914.91 2459.03,1914.91 ; SR_SX_TOP.16@1604.13,4170.28 1604.13,4072.48 C7_SX_TOP.2@1604.76,4071.85 1610.28,4077.36 2328.19,4077.36 2475.47,3930.08 ; SR_BTN_BOT.16@2672.36,1548.39 2672.36,1701.57 2459.03,1914.91 ; R8_BTN_TOP.8@2901.57,4001.97 R8_BTN_TOP.7@2870.08,4001.97 R8_BTN_TOP.6@2838.58,4001.97 R8_BTN_TOP.5@2807.09,4001.97 2735.2,3930.08 2475.47,3930.08 ; R8_BTN_TOP.8@2905.22,3996.75 2910.15,3991.82 2910.15,3990.1 2976.9,3923.35 3118.82,3923.35 ; SR_BTN_TOP.16@3031.3,4170.28 3031.3,4072.48 C7_BTN_TOP.2@3031.93,4071.85 3118.82,3984.96 3118.82,3923.35 ; SR_DX_BOT.16@4099.53,1548.39 4099.53,1646.18 C7_DX_BOT.2@4098.9,1646.81 4045.04,1646.81 3944.92,1546.69 3566.76,1546.69 3198.54,1914.91 ; R7_DX_TOP.5@4328.74,4561.02 R7_DX_TOP.6@4297.24,4561.02 R7_DX_TOP.7@4265.75,4561.02 R7_DX_TOP.8@4234.25,4561.02 3977.36,4561.02 3719.41,4818.98 3429.57,4818.98 3392.12,4781.53 3392.12,4620.63 3332.52,4561.02 R7_BTN_TOP.5@2901.57,4561.02 R7_BTN_TOP.6@2870.08,4561.02 R7_BTN_TOP.7@2838.58,4561.02 R7_BTN_TOP.8@2807.09,4561.02 2471.14,4561.02 2341.89,4690.28 2341.89,4786.1 2288.82,4839.17 1995.59,4839.17 1935.55,4779.13 1935.55,4709.88 1786.69,4561.02 R7_SX_TOP.5@1474.41,4561.02 R7_SX_TOP.6@1442.91,4561.02 R7_SX_TOP.7@1411.42,4561.02 R7_SX_TOP.8@1379.92,4561.02 962.4,4561.02 845.87,4677.56 845.87,4838.03 804.29,4879.61 329.88,4879.61 262.91,4812.64 262.91,3195.35 429.13,3029.13 R7_BTN_FUNC.5@429.13,2901.57 R7_BTN_FUNC.6@429.13,2870.08 R7_BTN_FUNC.7@429.13,2838.58 R7_BTN_FUNC.8@429.13,2807.09 429.13,2588.19 268.86,2427.91 268.86,1087.8 460.35,896.3 819.96,896.3 873.46,949.8 873.46,1088.11 932.48,1147.13 1885.94,1147.13 1923.07,1110 1923.07,929.33 1994.57,857.83 2243.82,857.83 2543.62,1157.64 R7_BTN_BOT.5@2802.09,1157.64 2804.33,1155.39 2896.57,1155.39 2897.15,1155.97 3147.61,1155.97 3421.57,882.01 3747.17,882.01 3771.3,906.14 3771.3,993.11 3852.44,1074.25 4145.87,1074.25 R7_DX_BOT.5@4229.25,1157.64 R7_DX_BOT.6@4260.75,1157.64 R7_DX_BOT.7@4292.24,1157.64 R7_DX_BOT.8@4323.74,1157.64 4743.43,1157.64 4864.67,1036.4 4864.67,905.02 4906.38,863.31 5206.69,863.31 5258.82,915.43 5258.82,1824.72 5167.05,1916.5 4862.56,1916.5 4843.82,1897.76 4843.82,1819.69 4740.83,1716.69 R8_DX_BOT.5@4323.74,1716.69 R8_DX_BOT.6@4292.24,1716.69 R8_DX_BOT.7@4260.75,1716.69 R8_DX_BOT.8@4229.25,1716.69 4218.86,1716.69 4163.46,1772.09 3844.42,1772.09 3701.6,1914.91 3198.54,1914.91 ; SR_DX_TOP.16@4458.46,4170.28 4458.46,4072.48 C7_DX_TOP.2@4459.09,4071.85 4525.39,4071.85 4560.39,4106.85 5195.67,4106.85 5264.17,4038.35 5264.17,3864.72 5199.92,3800.47 4919.72,3800.47 4792.83,3927.36 4403.35,3927.36 R8_DX_TOP.8@4328.74,4001.97 R8_DX_TOP.7@4297.24,4001.97 R8_DX_TOP.6@4265.75,4001.97 R8_DX_TOP.5@4234.25,4001.97 3838.78,4001.97 3784.84,3948.03 3784.84,3836.46 3743.03,3794.65 3247.52,3794.65 3118.82,3923.35 ; C7_BTN_FUNC.2@918.31,3031.93 918.31,3192.01 855.5,3254.81 752.65,3254.81 718.93,3288.53 718.93,3412.1 792.09,3485.26 792.09,3738.11 853.19,3799.21 853.19,3895.75 959.41,4001.97 R8_SX_TOP.5@1379.92,4001.97 R8_SX_TOP.6@1411.42,4001.97 R8_SX_TOP.7@1442.91,4001.97 1474.13,4001.97 1552.41,3923.69 1888.86,3923.69 2007.63,3804.92 2350.31,3804.92 2475.47,3930.08 ; 2459.03,1914.91 2731.26,1914.91 2772.28,1873.89 2772.28,1745.75 2801.34,1716.69 R8_BTN_BOT.8@2802.09,1716.69 R8_BTN_BOT.7@2833.58,1716.69 R8_BTN_BOT.6@2865.08,1716.69 2911.97,1716.69 2926.61,1731.34 2926.61,1879.45 2962.07,1914.91 3198.54,1914.91
5V: C4_K01.2 C4_K02.2 C4_K03.2 C4_K04.2 C4_K05.2 C4_K06.2 C4_K07.2 C4_K08.2 C4_K09.2 C4_K10.2 C4_K11.2 C4_K12.2 C4_K13.2 C4_K14.2 C4_K15.2 C4_K16.2 C5.2 C6.P D1.2 LED_K01.1 LED_K01.4 LED_K02.1 LED_K02.4 LED_K03.1 LED_K03.4 LED_K04.1 LED_K04.4 LED_K05.1 LED_K05.4 LED_K06.1 LED_K06.4 LED_K07.1 LED_K07.4 LED_K08.1 LED_K08.4 LED_K09.1 LED_K09.4 LED_K10.1 LED_K10.4 LED_K11.1 LED_K11.4 LED_K12.1 LED_K12.4 LED_K13.1 LED_K13.4 LED_K14.1 LED_K14.4 LED_K15.1 LED_K15.4 LED_K16.1 LED_K16.4 U1.23 U2.14 | length 26744.8
  Top Layer w100: LED_K05.1@1141.1,2413.98 1155.55,2428.43 1155.55,2543.98 1290.63,2679.06 1743.5,2679.06 ; LED_K13.1@1141.1,5331.38 1156.85,5347.13 1156.85,5526.5 1223.43,5593.07 1753.73,5593.07 ; LED_K01.4@1141.14,384.82 1144.72,381.24 C4_K01.2@1144.72,264.02 1144.72,224.02 1249.84,118.9 1764.87,118.9 ; LED_K09.4@1141.14,3302.22 1144.72,3298.64 C4_K09.2@1144.72,3181.42 1144.72,3129.41 1265.98,3008.15 1748.35,3008.15 ; LED_K06.4@1663.78,2414.75 1655.94,2422.59 1655.94,2591.49 1743.5,2679.06 ; LED_K14.4@1663.78,5332.15 1655.94,5339.99 1655.94,5495.28 1753.73,5593.07 ; LED_K02.1@1665.75,383.43 1666.1,383.07 C4_K02.2@1666.1,264.25 1666.1,239.63 1667.16,238.57 1667.16,216.61 1764.87,118.9 ; LED_K10.1@1665.75,3300.83 1665.75,3090.75 1748.35,3008.15 ; LED_K15.4@3115.55,5331.85 3115.55,5514.67 3193.96,5593.07 ; LED_K07.1@4048.5,2413.98 4055.4,2420.87 4055.4,2566.55 4050.09,2571.86 4050.09,2628.75 4100.39,2679.06 ; LED_K03.4@4048.54,384.82 4052.12,381.24 C4_K03.2@4052.12,264.02 4192.36,123.78 4192.36,118.9 ; LED_K11.4@4048.54,3302.22 4063.31,3287.45 4063.31,3090.43 4139.13,3014.61 4139.13,3008.15 ; LED_K08.4@4571.18,2414.75 4563.34,2422.59 4563.34,2617.17 4616.65,2670.49 4616.65,2679.06 ; LED_K04.1@4573.15,383.43 4573.5,383.07 C4_K04.2@4573.5,264.25 4573.5,239.63 4574.56,238.57 4574.56,216.61 4632.22,158.94 4632.22,118.9 4192.36,118.9 ; LED_K12.1@4573.15,3300.83 4573.15,3088.74 4653.74,3008.15 ; 4638.68,125.35 5089.33,125.35 5366.26,402.28 5366.26,2040.41 5366.62,2040.78 5366.62,2487.98 ; LED_K16.1@5321.22,4577.36 5322.96,4575.62 5487.2,4575.62 5589.41,4677.83 5589.41,5085.98 5082.32,5593.07 U1.23@4607.05,5593.07 3193.96,5593.07 ; 5356.62,3176.23 5188.54,3008.15 4653.74,3008.15 ; 5366.62,4038.71 5366.62,2487.98 ; 5373.69,4045.78 5507.64,4179.72 5507.64,4596.06 ; 1743.5,2679.06 4100.39,2679.06 ; 1748.35,3008.15 4139.13,3008.15 ; 1753.73,5593.07 3193.96,5593.07 ; 1764.87,118.9 4192.36,118.9 ; 4100.39,2679.06 4616.65,2679.06 ; 4139.13,3008.15 4653.74,3008.15 ; 4616.65,2679.06 5175.55,2679.06 5366.62,2487.98